# KiCad board AnalogComputer.kicad_pcb (continued)
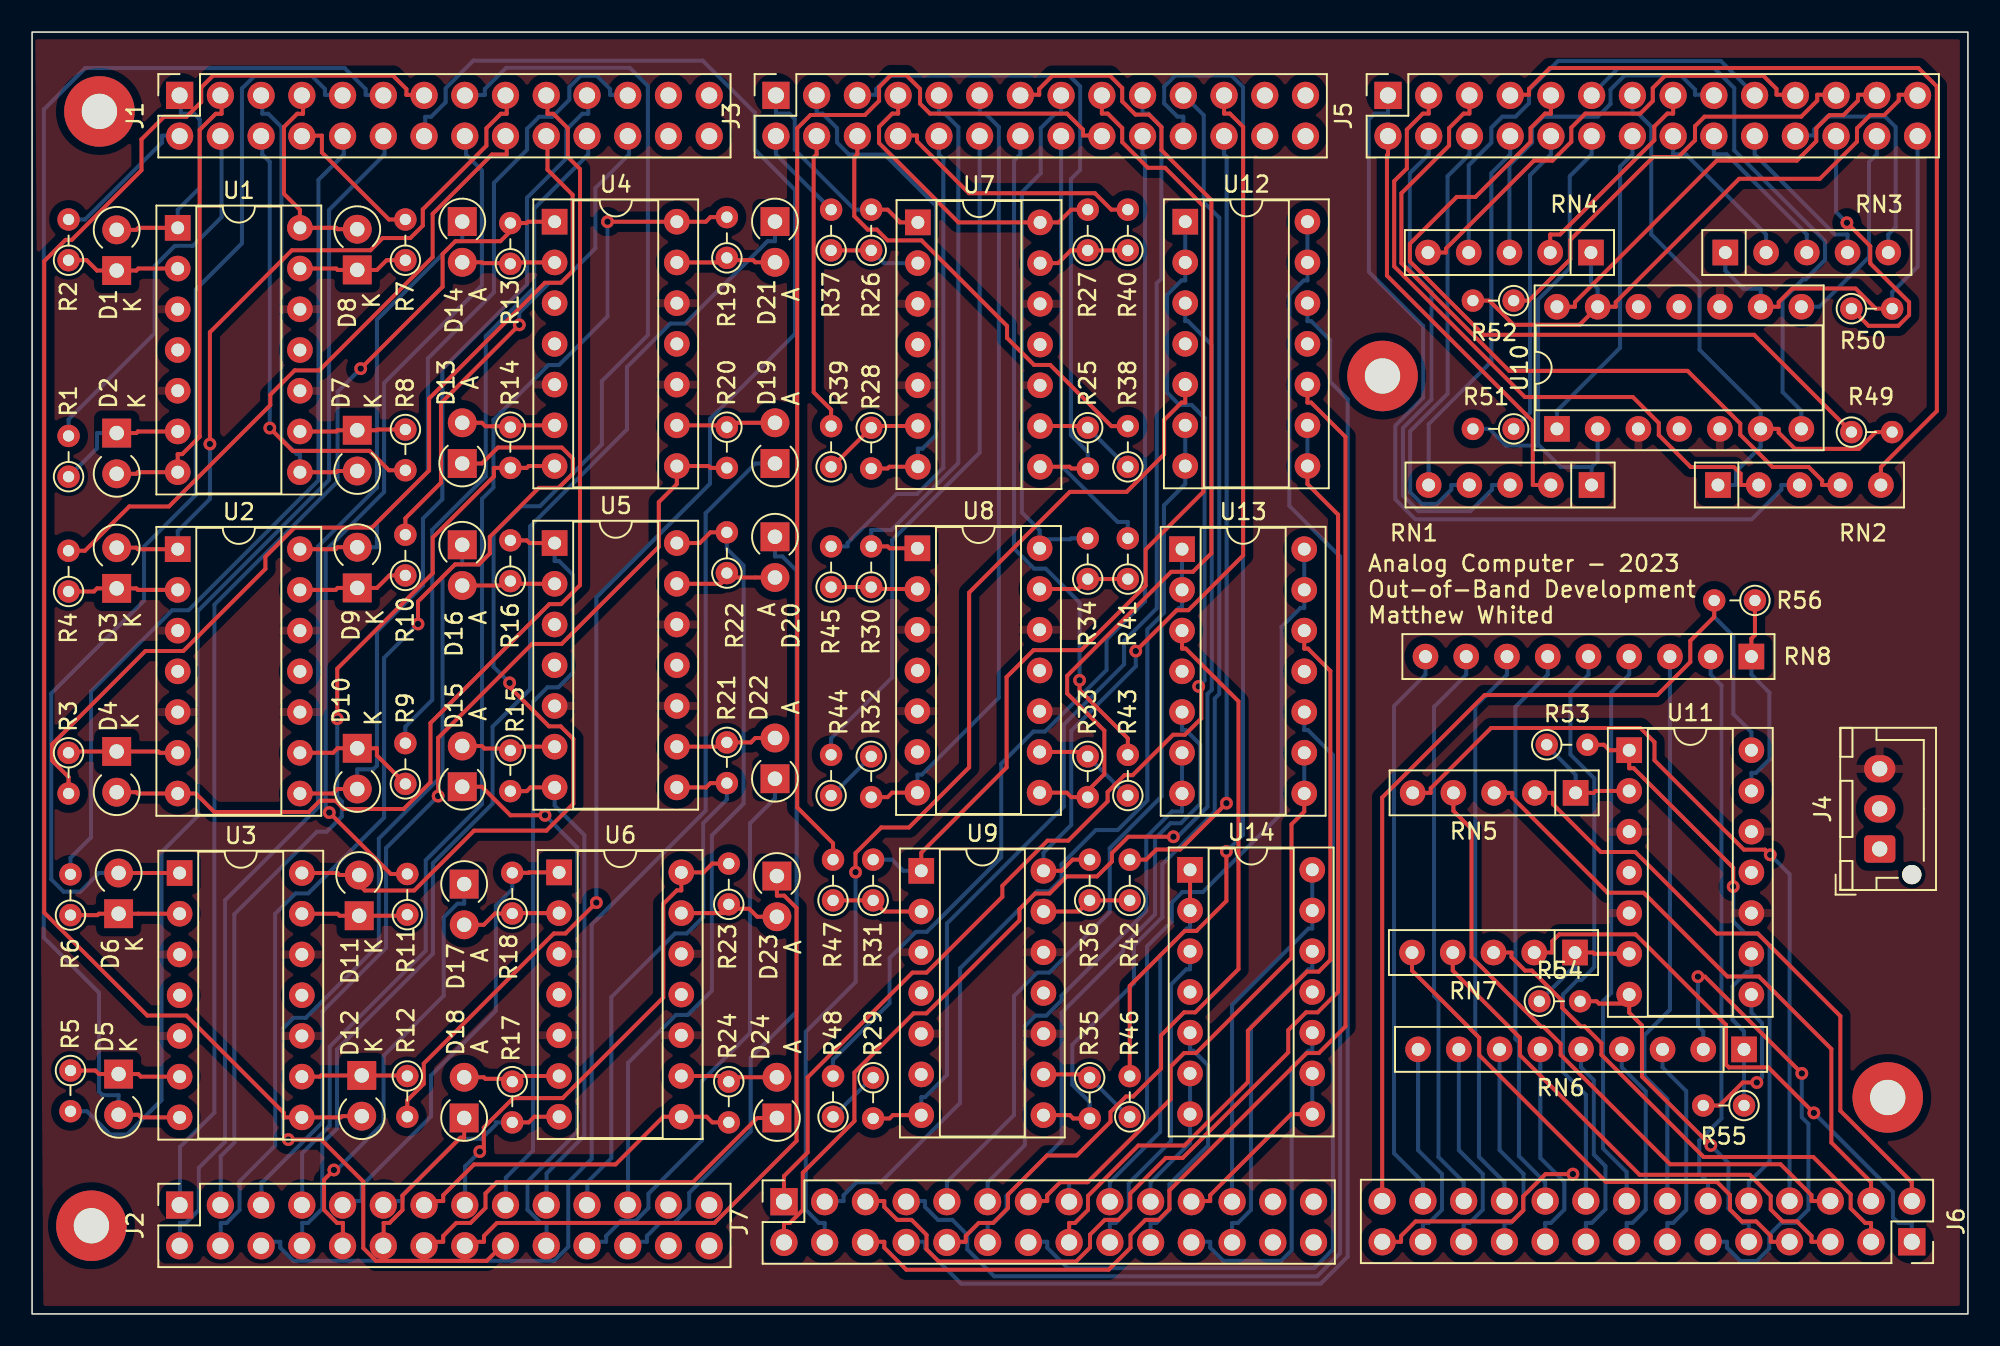
[diagram p0: board, top side]
## Copper pours and planes (outline as drawn; the poured copper is in the pictures) (continued)
GND on Ground: 0.2,80 120.7,80 120.7,0 0.2,0
VCC on Power: 0.2,79.5 120.2,79.5 120.2,0.5 0.2,0.5
VDD on Top, Bottom: 0.2,79.5 120.2,79.5 120.2,0.5 0.7,0.5

## Text on the board
F.Silkscreen: Analog Computer - 2023 / Out-of-Band Development / Matthew Whited
